# KiCad board PCA20073_nRF54L15_Tiny_Board.kicad_pcb (continued)
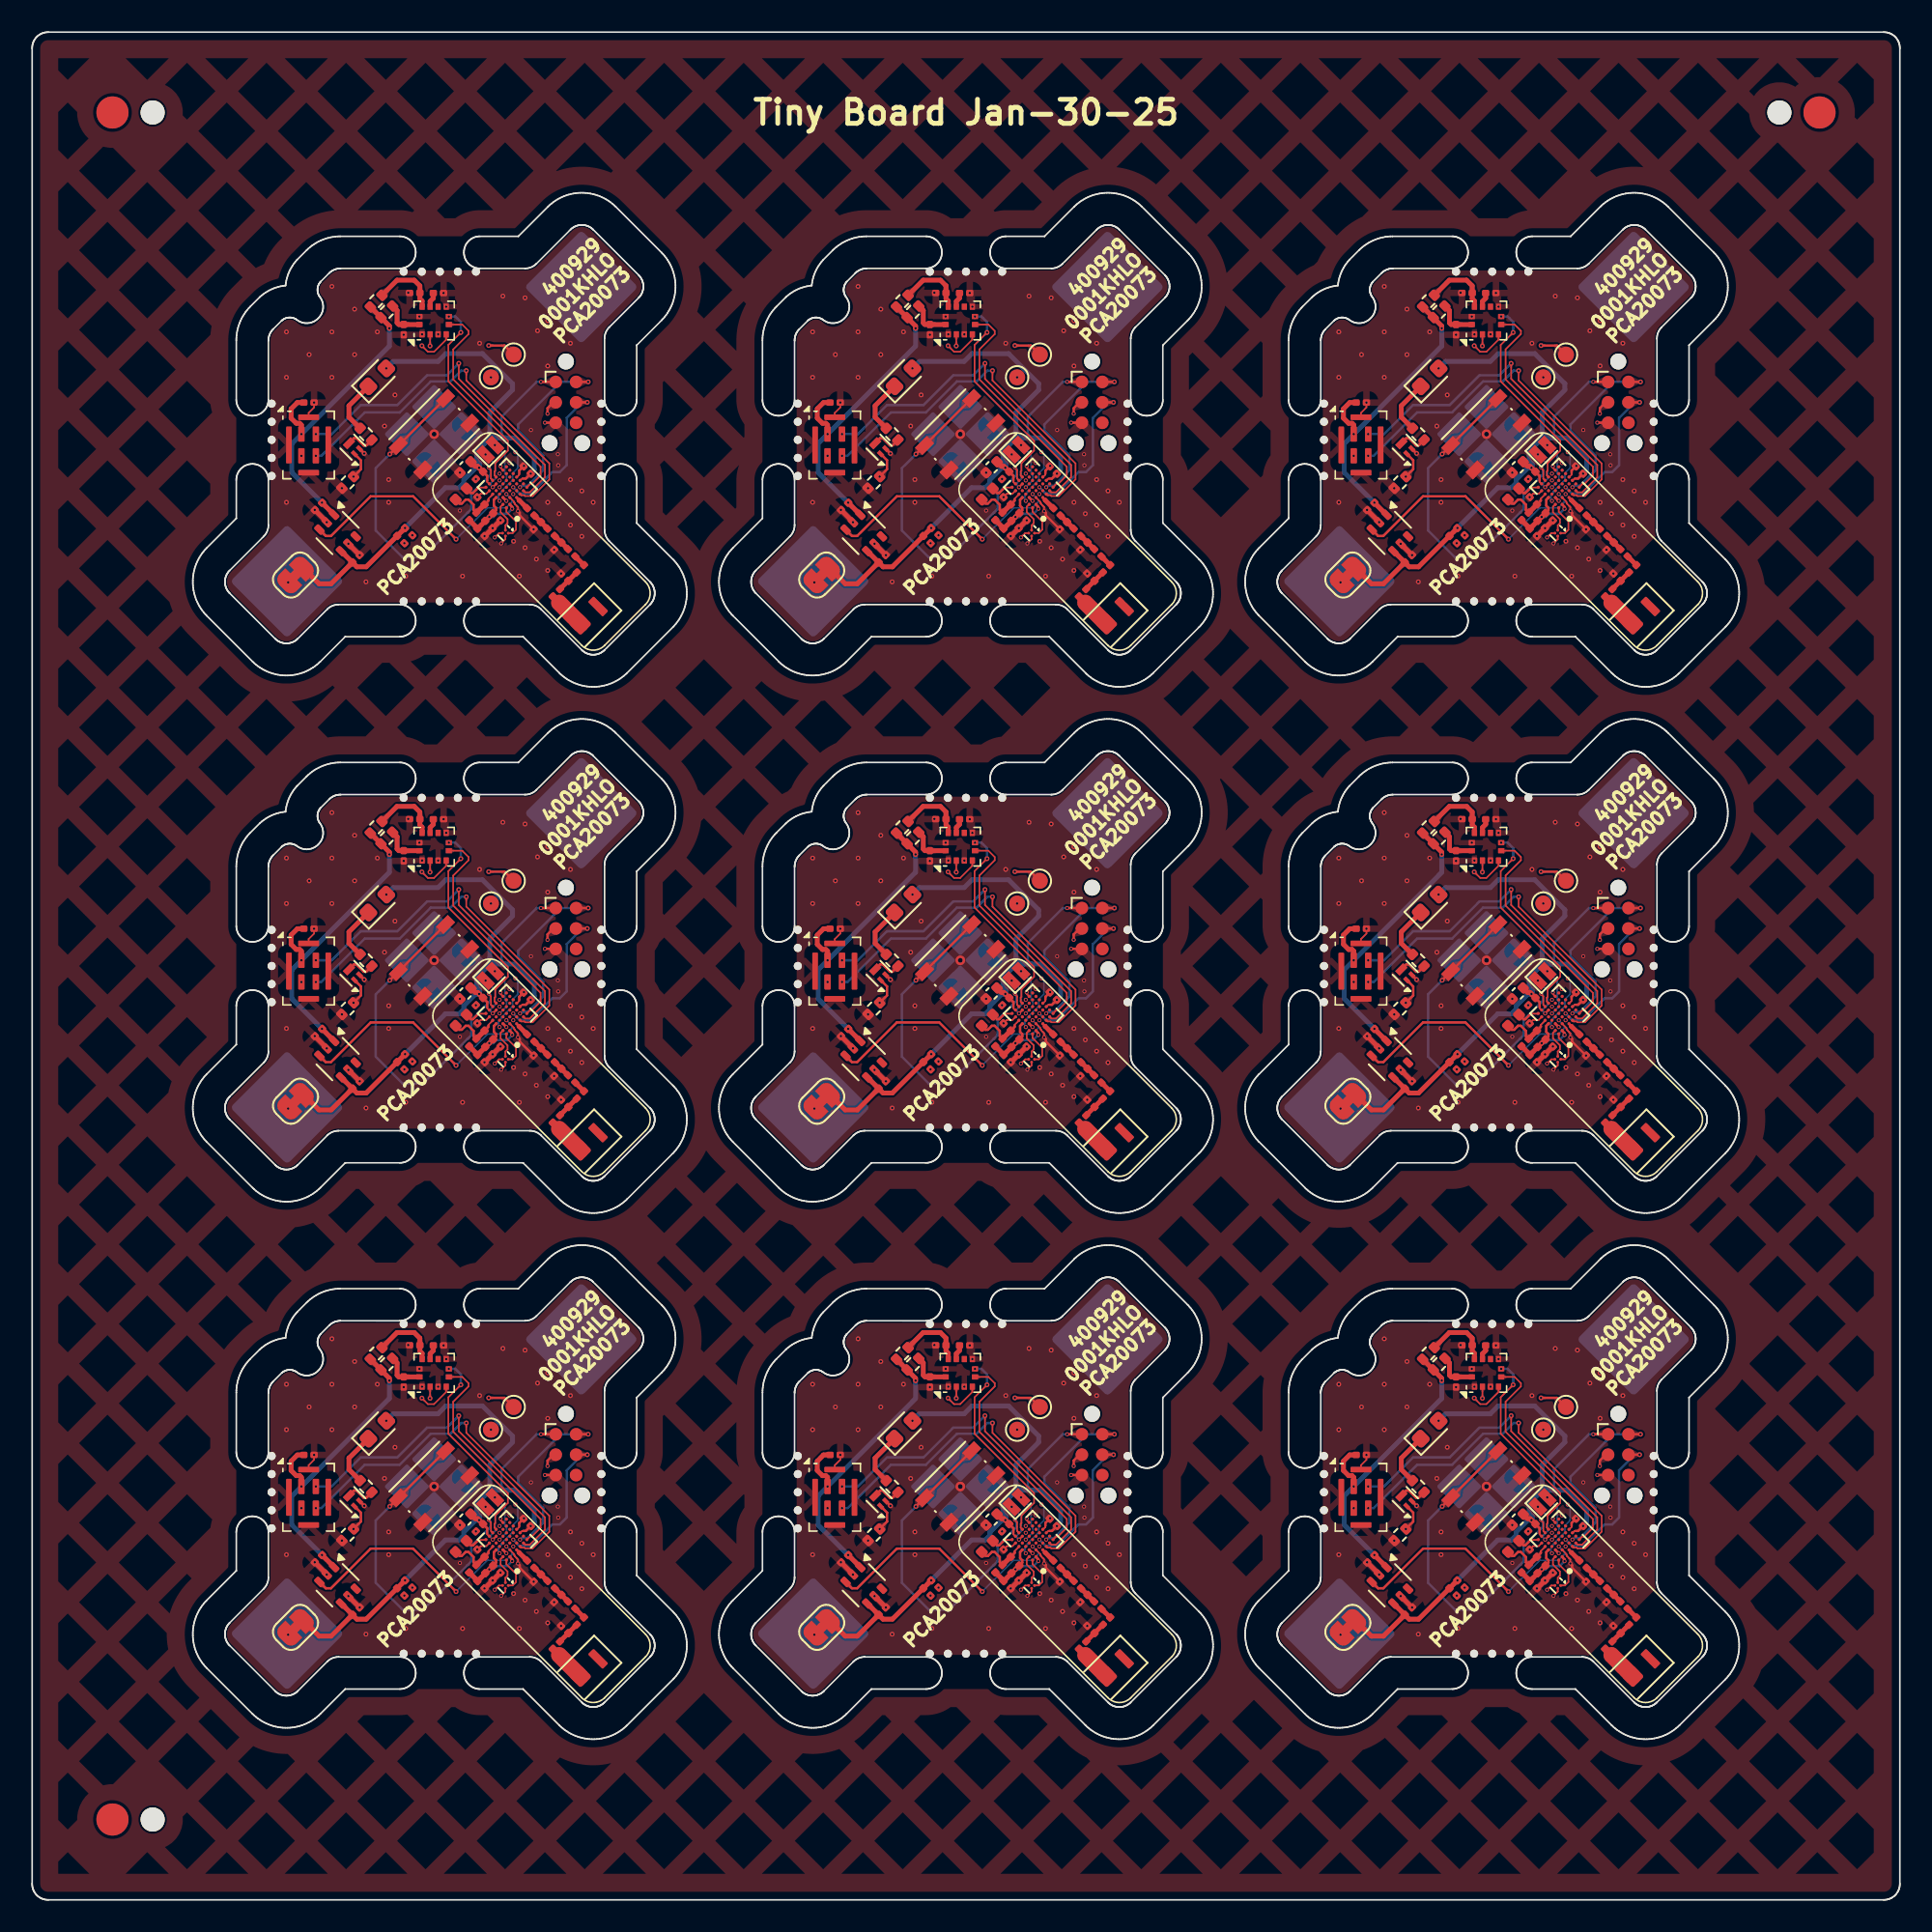
[diagram p0: board, top side]
## Routing (per net, layer and track width the routed paths; a pad name or vN(x,y) marks a point on that pad's centre or on a via; arc(x,y) is an arc through that point) (continued)
  Bottom w0.3: 28.49,90.97 27.67,90.16 27.67,89.58 27.86,89.39 ; 28.49,90.97 28.51,90.99 28.74,90.99 ; 28.49,90.97 28.49,91.37 ; 27.86,89.39 27.86,89.28 27.71,89.13 27.61,89.13 ; 27.86,89.39 27.86,89.17 v2(27.82,89.13) 27.61,89.13 ; v2(22.04,95.32) 22.47,95.75 25.26,95.75 25.75,96.24 28.03,96.24 29.9,94.36 29.9,93.98 28.49,92.57 28.49,91.37 ; 28.49,91.37 28.49,91.29 28.74,91.03 28.74,90.99 ; 28.74,90.99 30.05,90.99 31.26,89.78 31.26,88.99 31.06,88.79 ; 27.61,89.13 26.87,88.39 26.87,88.18 26.58,87.89 25.72,87.89 v2(23.21,85.38)
Board_1-/BUTTON0: length 21.9
  Top w0.1: U1#5.C7 61.3,88.46 61.3,88.98 61.17,89.12 v1(61.17,89.15)
  Top w0.15: v2(55.01,89.98) SW1#6.1 SW1#6.1
  Bottom w0.15: v2(55.01,89.98) 54.13,89.11 54.13,85.23 55.8,83.56 57.08,83.56 59.85,86.33 60.08,86.57 60.08,87.51 61.28,88.71 61.28,89.04 v1(61.17,89.15)
Board_1-/INT1: length 14.2
  Top w0.1: U1#5.G1 63.73,88.11 63.85,88.11 64.39,88.66 64.39,89.2 58.96,94.63 58.96,96.5 59.91,97.45 59.91,97.65 59.52,98.05 U3#2.5
Board_1-/INT2: length 12.8
  Top w0.1: v2(59.43,97.55) 58.65,96.78 58.65,94.51 62.36,90.81 62.36,90.2 61.57,89.41 61.57,88.95 61.52,88.9 61.52,88.66 U1#5.D7
  Bottom w0.15: v2(59.43,97.55) 59.43,98.2 59.09,98.55 v2(58.68,98.55)
Board_1-/LED: length 17.8
  Top w0.15: U1#5.B3 v1(62.27,87.07) ; Q1#6.1 53.21,89.6 53.21,89.04 v2(52.75,88.58)
  In2.Cu w0.15: v1(62.27,87.07) 61.87,86.67 61.26,86.67 60.52,85.93 60.52,85.21 59.56,84.25 58.96,84.25 58.48,84.73 57.52,84.73 56.11,83.31 55.27,83.31 53.43,85.15 53.43,87.89 v2(52.75,88.58)
Board_1-/LFCLK1: length 2.8
  Top w0.075: 61.42,87.92 61.42,87.9
  Top w0.1: U1#5.C6 v1(61.42,87.92)
  Bottom w0.1: v1(61.42,87.92) 61.29,88.05 61.29,88.17 61.57,88.45 61.57,89.36 v1(60.97,89.96)
Board_1-/LSW: length 15.9
  Top w0.075: v1(62.27,87.49) 62.27,87.48 62.27,87.48
  Top w0.15: v2(59.13,84.68) 56.46,87.36 53.82,87.36 51.35,84.89 51.02,84.89 U2#3.3
  Bottom w0.1: v1(62.27,87.49) 62.62,87.14 62.62,87.01 62.25,86.64 61.09,86.64 v2(59.13,84.68)
Board_1-/PDM_CLK: length 22.8
  Top w0.1: v2(59.77,95.18) 59.77,94.57 64.94,89.4 64.94,88.41 63.9,87.37 63.43,87.37 63.38,87.42 63.19,87.42 U1#5.E1
  Bottom w0.15: v1(50.41,89.88) 50.75,89.88 53.45,92.58 55.63,92.58 57.56,94.51 58.78,94.51 59.45,95.18 v2(59.77,95.18)
Board_1-/PDM_DATA: length 21.8
  Top w0.1: U1#5.F1 63.43,87.6 63.72,87.6 64.66,88.55 64.66,89.31 59.3,94.67 v2(59.3,95.63)
  Bottom w0.15: v1(50.41,91.23) 51.39,91.23 53.2,93.04 55.48,93.04 57.33,94.89 58.56,94.89 v2(59.3,95.63)
Board_1-/SCL: length 28.8
  Top w0.075: U1#5.F7 62.06,88.96 62.05,88.96
  Top w0.1: v2(57.01,96.73) 57.38,96.35 57.76,96.35 58.52,97.11 U3#2.4 ; v1(61.9,89.23) 61.9,89.14 U1#5.F7
  In2.Cu w0.1: v2(56.41,84.93) 56.28,84.8 ; 56.28,84.8 56.22,84.74 56.22,84.6 56.43,84.39 56.43,84.07 55.97,83.62 55.41,83.62 53.8,85.22 53.8,93.27 57.01,96.47 v2(57.01,96.73) ; 56.28,84.8 56.54,84.8 56.55,84.8 56.93,84.8 57.2,85.07 59.16,85.07 61.54,87.46 61.81,87.46 62.17,87.82 62.17,88.69 62.11,88.75 62.11,89.02 v1(61.9,89.23)
  In2.Cu w0.15: v2(56.41,84.93) 56.55,84.8
Board_1-/SDA: length 24.8
  Top w0.1: U3#2.2 57.52,96.72 v2(57.51,96.71) ; v1(61.84,88.34) 61.84,88.33
  In2.Cu w0.1: v2(55.92,84.44) 56.12,84.23 56.12,84.12 55.94,83.94 55.42,83.94 54.1,85.26 54.1,93.16 57.51,96.57 v2(57.51,96.71)
  In2.Cu w0.15: v2(55.92,84.44) 55.78,84.58 55.78,84.75 56.38,85.36 56.38,85.67 58.68,87.97 60.32,87.97 60.7,88.34 61.84,88.34 v1(61.84,88.34)
Board_1-/UART_RX: length 13.6
  Top w0.15: v2(61.16,96.74) 62.15,96.74 TP2#8.1
  In2.Cu w0.15: v1(62.83,90.1) 62.98,90.26 62.98,95.91 62.15,96.74 v2(61.16,96.74)
  Bottom w0.1: v1(61.84,87.07) 61.78,87.14 61.78,87.39 61.78,87.33 61.78,87.43 61.95,87.6 61.95,87.67 62.65,88.37 62.65,88.79 62.97,89.12 62.97,89.95 v1(62.83,90.1)
Board_1-/UART_TX: length 7.1
  In2.Cu w0.15: v1(61.84,88.77) 61.83,88.77 61.59,89 61.59,89.34 62.65,90.39 62.65,93.42 v2(61.3,94.76)
Board_1-GND: length 11.5
  Top w0.075: 62.74,86.93 62.92,86.76
  Top w0.1: v1(62.99,86.43) 62.99,86.69 62.79,86.88 62.79,86.93 62.74,86.98 62.74,87.02 U1#5.C2 ; Y2#3.3 61.8,85.06 v1(61.54,84.8) ; Y2#3.2 62.21,84.69 v1(61.94,84.42) ; U1#5.A6 61.01,87.51 60.67,87.51 v1(60.46,87.31) ; 62.9,88.54 63.07,88.7 63.07,88.79 ; MK1#6.5 49.96,92.55 50.3,92.89 v1(50.3,93.19)
  Top w0.15: v1(62.99,86.43) 63.09,86.32 63.09,86.17 v2(63.96,85.3) ; v2(53.42,90.02) Q1#6.2 ; C8#3.2 63.07,88.96 63.07,88.79 ; v1(64.66,91.94) 65.33,91.94 J1.5 ; 52.04,87.83 52.03,87.85 v2(52.03,87.86)
  Top w0.3: v2(50.34,86.51) 51.09,85.76 v2(51.09,85.74) ; v2(52.43,84.4) v2(53.14,83.69) ; v1(60.9,84.88) 60.92,84.88 v1(61.41,85.37) ; v1(61.41,85.37) v1(61.9,85.86) ; v1(61.41,85.37) C12#7.2
  vias: v1(49.51,89.88) v1(59.37,86.47) v1(60.37,88.43) v1(62.46,89.43) v1(63.36,89.25) v1(63.79,91.48) v1(65.47,89.97) v1(65.49,89.29) v2(48.58,97.59) v2(48.58,94.76) v2(48.58,86.98) v2(49.99,96.17) v2(51.41,100.42) v2(51.41,97.59) v2(51.41,94.76) v2(52.82,99) v2(52.82,96.17) v2(53.53,82.03) v2(54.23,97.59) v2(54.68,91.73) v2(54.94,88.4) v2(54.94,86.98) v2(55.33,93.66) v2(55.87,97.41) v2(56,82.39) v2(56.16,100.03) v2(56.85,98.55) v2(57.02,97.44) v2(58.02,97.44) v2(58.36,100.01) v2(58.52,99.16) v2(59.37,88.83) v2(59.54,82.39) v2(60.6,96.88) v2(62.05,99.82) v2(62.71,84.56) v2(63.07,82.39) v2(63.43,99.71) v2(63.43,84.15) v2(64.13,83.45) v2(64.2,97.66) v2(64.84,98.3) v2(64.84,95.47) v2(64.84,86.98) v2(64.84,82.74) v2(65.24,84.03) v2(65.55,86.28) v2(65.67,82.55) v2(66.25,96.88) v2(66.25,88.4) v2(66.25,85.57) v2(66.96,87.69) v2(66.96,84.86) v2(67.67,86.98) v3(57.77,91.23)
Board_1-Net-(AE1-PCB_Trace): length 1.9
  Top w1: AE1#5.2 65.55,80.73
Board_1-Net-(BT1-+):
  vias: v2(48.68,82)
Board_1-Net-(C6-Pad1): length 1.2
  Top w0.293: 64,86.17 64.82,85.35
Board_1-Net-(C9-Pad1): length 1.2
  Top w0.293: 65.28,84.89 66.1,84.07
Board_1-Net-(D1-K): length 3.4
  Top w0.3: D1#2.1 52.47,92.99 52.47,92.29 R1#2.1
Board_1-Net-(J1-SWCLK): length 9.5
  Top w0.15: J1.4 v2(67.3,93.2)
  Bottom w0.15: v2(67.3,93.2) 66.99,93.2 66.02,92.24 66.02,89.29 65.59,88.86 65.12,88.86 63.79,87.53 63.08,87.53 62.69,87.91 v1(62.69,87.92)
Board_1-Net-(J1-SWDIO): length 11.6
  Top w0.15: v2(67.36,94.48) 66.61,94.48 J1.2
  Bottom w0.15: v2(67.36,94.48) 65.65,94.48 63,91.83 63,91.46 64.56,89.9 64.56,88.98 63.6,88.01 63.23,88.01 63.13,87.92 v1(63.12,87.92)
Board_1-Net-(J1-~{RESET}): length 8.1
  Top w0.15: 62.69,87.48 v1(62.69,87.49) ; J1.3 65.19,93.2 64.83,92.84 v1(64.83,92.5)
  In2.Cu w0.15: v1(64.83,92.5) 64.46,92.5 64.2,92.24 64.2,91.32 63.72,90.84 63.72,90.1 64.52,89.29 64.52,88.77 63.33,87.58 62.77,87.58 v1(62.69,87.49)
Board_1-Net-(JP2-A): length 2.6
  Top w0.3: JP2.1 55.46,98.92 55.46,98.15 55.57,98.05 C16#4.1 55.88,98.05 U3#2.12 56.85,98.05
Board_1-Net-(JP3-A): length 4.3
  Top w0.3: U3#2.10 57.02,99.51 56.88,99.65 C17#5.1 56.88,100.46 56.53,100.81 55.46,100.81 JP3#9.1
Board_1-Net-(L4-Pad2): length 0.8
  Top w0.293: 66.55,83.62 67.09,83.08
Board_1-Net-(L18-Pad1): length 1.5
  Top w0.293: 66.64,82.62 65.6,81.58
Board_1-Net-(Q1-D): length 1.9
  Top w0.15: Q1#6.3 52.78,90.98 52.93,90.98 53.39,90.52 53.54,90.52 R1#2.2
Board_1-Net-(U1-ANT): length 0.9
  Top w0.1: 62.91,87.27 62.9,87.26 63.05,87.12
  Top w0.293: L2#6.1 63.05,87.12 63.05,87.12
Board_1-Net-(U1-DCC): length 1.5
  Top w0.1: 60.51,87.88 60.53,87.9 60.99,87.9
  Top w0.15: L1#7.2 60.07,87.56 60.19,87.56 60.51,87.88
Board_1-Net-(U1-DECA): length 5.3
  Top w0.15: v1(62.63,86.58) 62.63,86.69 62.48,86.84 ; U1#5.A4 61.49,87.14 61.49,86.77 61.62,86.64 61.62,86.49 C5#3.1
  Top w0.3: C5#3.1 v1(61.2,86.07) 60.47,85.33 C2#2.1 60.45,85.37 FB1.1
  Bottom w0.15: v1(61.2,86.07) 61.45,86.07 61.65,86.27 62.32,86.27 v1(62.63,86.58)
Board_1-Net-(U1-DECD): length 3.6
  Top w0.1: 61.42,87.48 61.15,87.21 61.15,87.15
  Top w0.15: 61.15,87.15 61.15,87.09 C1#5.1 ; L1#7.1 59.35,86.9 59.49,86.9 59.73,87.15 59.9,87.15 60.22,86.83 60.22,86.51 FB1.2
  Top w0.3: FB1.2 C1#5.1
Board_1-Net-(U1-P1.00): length 3.1
  Top w0.1: 61.84,87.9 61.85,87.91 v1(61.84,87.92)
  Bottom w0.1: v1(61.55,90.54) 62.17,89.92 62.17,88.76 62.28,88.65 62.28,88.36 v1(61.84,87.92)
Board_1-Net-(U1-XC1): length 2.2
  Top w0.1: U1#5.A1 62.27,86.39 62.87,85.79 62.87,85.28 62.66,85.07 62.38,85.07 Y2#3.1
Board_1-Net-(U1-XC2): length 1.9
  Top w0.1: U1#5.A2 61.91,86.71 61.91,86.37 62.34,85.94 62.34,85.68 62.21,85.55 Y2#3.4
Board_1-Net-(U3-V_{REG_OUT}): length 0.9
  Top w0.3: C15#6.1 57.72,99.69 57.52,99.49 U3#2.9
Board_1-unconnected-(U1-P1.03-PadD5): length 0
  Top w0.1: 62.05,88.11 62.06,88.12 62.06,88.13
Board_1-VDD: length 45.3
  Top w0.1: 61.07,88.32 61.07,88.25 61.21,88.11 ; 63.32,88.46 63.25,88.46 63.11,88.33
  Top w0.15: 63.32,88.46 63.48,88.46 v2(63.78,88.76) ; 61.07,88.32 61.07,88.63 C11#5.1 ; J1.1 65.33,94.48 v1(64.42,94.48)
  Top w0.3: v2(55.96,85.38) 53.54,82.97 52.96,82.97 C3#9.1 ; C3#9.1 51.36,81.91 50.61,81.91 49.6,82.92 ; C3#9.1 51.99,83.94 U2#3.4 ; C11#5.1 v2(60.57,89.13) 60.48,89.22 60.34,89.22 C10#9.1
  Bottom w0.15: v1(64.42,94.48) 64.15,94.48 61.97,92.3 61.97,91.23 ; 61.77,90.99 61.97,91.19 61.97,91.23 ; 61.97,91.23 61.97,90.99 ; 61.97,91.23 62.21,90.99 62.22,90.99
  Bottom w0.3: 61.23,91.37 61.23,90.97 ; 61.23,91.37 61.23,91.29 61.49,91.03 61.49,90.99 ; 61.23,91.37 61.23,92.57 62.65,93.98 62.65,94.36 60.77,96.24 58.5,96.24 58.01,95.75 55.22,95.75 v2(54.79,95.32) ; 60.6,89.39 60.6,89.17 v2(60.57,89.13) 60.36,89.13 ; 60.6,89.39 60.42,89.58 60.42,90.16 61.23,90.97 ; 60.6,89.39 60.6,89.28 60.46,89.13 60.36,89.13 ; 61.49,90.99 61.26,90.99 61.23,90.97 ; 61.49,90.99 62.8,90.99 64.01,89.78 64.01,88.99 63.81,88.79 ; 60.36,89.13 59.61,88.39 59.61,88.18 59.33,87.89 58.47,87.89 v2(55.96,85.38)
Board_2-/BUTTON0: length 21.9
  Top w0.1: v1(93.92,89.15) 93.92,89.12 94.05,88.98 94.05,88.46 U1#3.C7
  Top w0.15: v2(87.76,89.98) SW1#4.1 SW1#4.1
  Bottom w0.15: v2(87.76,89.98) 86.88,89.11 86.88,85.23 88.55,83.56 89.83,83.56 92.6,86.33 92.83,86.57 92.83,87.51 94.03,88.71 94.03,89.04 v1(93.92,89.15)
Board_2-/INT1: length 14.2
  Top w0.1: U3#9.5 92.27,98.05 92.66,97.65 92.66,97.45 91.71,96.5 91.71,94.63 97.14,89.2 97.14,88.66 96.6,88.11 96.48,88.11 U1#3.G1
Board_2-/INT2: length 12.8
  Top w0.1: U1#3.D7 94.27,88.66 94.27,88.9 94.32,88.95 94.32,89.41 95.11,90.2 95.11,90.81 91.4,94.51 91.4,96.78 v2(92.18,97.55)
  Bottom w0.15: v2(92.18,97.55) 92.18,98.2 91.84,98.55 v2(91.43,98.55)
Board_2-/LED: length 17.8
  Top w0.15: U1#3.B3 v1(95.01,87.07) ; Q1.1 85.96,89.6 85.96,89.04 v2(85.5,88.58)
  In2.Cu w0.15: v1(95.01,87.07) 94.61,86.67 94.01,86.67 93.27,85.93 93.27,85.21 92.31,84.25 91.71,84.25 91.23,84.73 90.27,84.73 88.86,83.31 88.02,83.31 86.18,85.15 86.18,87.89 v2(85.5,88.58)
Board_2-/LFCLK1: length 2.8
  Top w0.075: 94.17,87.92 94.17,87.9
  Top w0.1: U1#3.C6 v1(94.17,87.92)
  Bottom w0.1: v1(93.72,89.96) 94.32,89.36 94.32,88.45 94.04,88.17 94.04,88.05 v1(94.17,87.92)
Board_2-/LSW: length 15.9
  Top w0.075: v1(95.02,87.49) 95.02,87.48 95.02,87.48
  Top w0.15: U2#9.3 83.77,84.89 84.1,84.89 86.57,87.36 89.21,87.36 v2(91.88,84.68)
  Bottom w0.1: v1(95.02,87.49) 95.37,87.14 95.37,87.01 94.99,86.64 93.83,86.64 v2(91.88,84.68)
Board_2-/PDM_CLK: length 22.8
  Top w0.1: v2(92.52,95.18) 92.52,94.57 97.69,89.4 97.69,88.41 96.65,87.37 96.18,87.37 96.13,87.42 95.94,87.42 U1#3.E1
  Bottom w0.15: v2(92.52,95.18) 92.2,95.18 91.53,94.51 90.31,94.51 88.38,92.58 86.2,92.58 83.5,89.88 v1(83.16,89.88)
Board_2-/PDM_DATA: length 21.8
  Top w0.1: U1#3.F1 96.18,87.6 96.47,87.6 97.41,88.55 97.41,89.31 92.05,94.67 v2(92.05,95.63)
  Bottom w0.15: v2(92.05,95.63) 91.31,94.89 90.08,94.89 88.23,93.04 85.95,93.04 84.14,91.23 v1(83.16,91.23)
Board_2-/SCL: length 28.8
  Top w0.075: 94.8,88.96 94.8,88.96 U1#3.F7
  Top w0.1: v2(89.75,96.73) 90.13,96.35 90.51,96.35 91.27,97.11 U3#9.4 ; U1#3.F7 94.65,89.14 v1(94.65,89.23)
  In2.Cu w0.1: v1(94.65,89.23) 94.86,89.02 94.86,88.75 94.92,88.69 94.92,87.82 94.56,87.46 94.29,87.46 91.9,85.07 89.95,85.07 89.68,84.8 89.29,84.8 89.29,84.8 89.03,84.8 ; 89.03,84.8 88.97,84.74 88.97,84.6 89.17,84.39 89.17,84.07 88.72,83.62 88.16,83.62 86.55,85.22 86.55,93.27 89.75,96.47 v2(89.75,96.73) ; 89.03,84.8 v2(89.16,84.93)
  In2.Cu w0.15: v2(89.16,84.93) 89.29,84.8
Board_2-/SDA: length 24.8
  Top w0.1: U3#9.2 90.27,96.72 v2(90.26,96.71) ; v1(94.59,88.34) 94.59,88.33
  In2.Cu w0.1: v2(88.67,84.44) 88.87,84.23 88.87,84.12 88.69,83.94 88.17,83.94 86.85,85.26 86.85,93.16 90.26,96.57 v2(90.26,96.71)
  In2.Cu w0.15: v1(94.59,88.34) 94.59,88.34 93.45,88.34 93.07,87.97 91.43,87.97 89.13,85.67 89.13,85.36 88.52,84.75 88.52,84.58 v2(88.67,84.44)
Board_2-/UART_RX: length 13.6
  Top w0.15: TP2#4.1 94.9,96.74 v2(93.91,96.74)
  In2.Cu w0.15: v2(93.91,96.74) 94.9,96.74 95.73,95.91 95.73,90.26 v1(95.57,90.1)
  Bottom w0.1: v1(95.57,90.1) 95.72,89.95 95.72,89.12 95.4,88.79 95.4,88.37 94.7,87.67 94.7,87.6 94.53,87.43 94.53,87.33 94.53,87.39 94.53,87.14 v1(94.59,87.07)
Board_2-/UART_TX: length 7.1
  In2.Cu w0.15: v1(94.59,88.77) 94.57,88.77 94.34,89 94.34,89.34 95.4,90.39 95.4,93.42 v2(94.05,94.76)
Board_2-GND: length 11.5
  Top w0.075: 95.49,86.93 95.67,86.76
  Top w0.1: v1(83.05,93.19) 83.05,92.89 82.71,92.55 MK1.5 ; U1#3.A6 93.76,87.51 93.42,87.51 v1(93.21,87.31) ; Y2#7.3 94.55,85.06 v1(94.29,84.8) ; v1(95.74,86.43) 95.74,86.69 95.54,86.88 95.54,86.93 95.49,86.98 95.49,87.02 U1#3.C2 ; v1(94.69,84.42) 94.95,84.69 Y2#7.2 ; 95.81,88.79 95.81,88.7 95.65,88.54
  Top w0.15: v1(95.74,86.43) 95.84,86.32 95.84,86.17 v2(96.71,85.3) ; C8#8.2 95.81,88.96 95.81,88.79 ; 84.79,87.83 84.78,87.85 v2(84.78,87.86) ; v2(86.17,90.02) Q1.2 ; J1#6.5 98.08,91.94 v1(97.41,91.94)
  Top w0.3: v1(93.65,84.88) 93.67,84.88 v1(94.16,85.37) ; v1(94.16,85.37) C12#4.2 ; v1(94.16,85.37) v1(94.65,85.86) ; v2(83.84,85.74) 83.84,85.76 v2(83.09,86.51) ; v2(85.18,84.4) v2(85.89,83.69)
  vias: v1(82.26,89.88) v1(92.12,86.47) v1(93.12,88.43) v1(95.21,89.43) v1(96.11,89.25) v1(96.54,91.48) v1(98.22,89.97) v1(98.24,89.29) v2(81.33,97.59) v2(81.33,94.76) v2(81.33,86.98) v2(82.74,96.17) v2(84.15,100.42) v2(84.15,97.59) v2(84.15,94.76) v2(85.57,99) v2(85.57,96.17) v2(86.28,82.03) v2(86.98,97.59) v2(87.43,91.73) v2(87.69,88.4) v2(87.69,86.98) v2(88.08,93.66) v2(88.62,97.41) v2(88.75,82.39) v2(88.9,100.03) v2(89.6,98.55) v2(89.77,97.44) v2(90.77,97.44) v2(91.11,100.01) v2(91.27,99.16) v2(92.12,88.83) v2(92.29,82.39) v2(93.35,96.88) v2(94.8,99.82) v2(95.46,84.56) v2(95.82,82.39) v2(96.17,99.71) v2(96.17,84.15) v2(96.95,97.66) v2(96.88,83.45) v2(97.59,98.3) v2(97.59,95.47) v2(97.59,86.98) v2(97.59,82.74) v2(97.99,84.03) v2(98.3,86.28) v2(98.42,82.55) v2(99,96.88) v2(99,88.4) v2(99,85.57) v2(99.71,87.69) v2(99.71,84.86) v2(100.42,86.98) v3(90.52,91.23)
Board_2-Net-(AE1-PCB_Trace): length 1.9
  Top w1: AE1#9.2 98.3,80.73
Board_2-Net-(BT1-+):
  vias: v2(81.43,82)
Board_2-Net-(C6-Pad1): length 1.2
  Top w0.293: 96.75,86.17 97.57,85.35
Board_2-Net-(C9-Pad1): length 1.2
  Top w0.293: 98.02,84.89 98.84,84.07
Board_2-Net-(D1-K): length 3.4
  Top w0.3: R1#8.1 85.21,92.29 85.21,92.99 D1#8.1
Board_2-Net-(J1-SWCLK): length 9.5
  Top w0.15: J1#6.4 v2(100.05,93.2)
  Bottom w0.15: v1(95.44,87.92) 95.44,87.91 95.83,87.53 96.54,87.53 97.87,88.86 98.34,88.86 98.77,89.29 98.77,92.24 99.74,93.2 v2(100.05,93.2)
Board_2-Net-(J1-SWDIO): length 11.6
  Top w0.15: J1#6.2 99.36,94.48 v2(100.11,94.48)
  Bottom w0.15: v2(100.11,94.48) 98.4,94.48 95.75,91.83 95.75,91.46 97.31,89.9 97.31,88.98 96.34,88.01 95.98,88.01 95.88,87.92 v1(95.86,87.92)
Board_2-Net-(J1-~{RESET}): length 8.1
  Top w0.15: v1(95.44,87.49) 95.44,87.48 95.44,87.48 ; v1(97.57,92.5) 97.57,92.84 97.94,93.2 J1#6.3
  In2.Cu w0.15: v1(95.44,87.49) 95.52,87.58 96.08,87.58 97.27,88.77 97.27,89.29 96.46,90.1 96.46,90.84 96.95,91.32 96.95,92.24 97.21,92.5 v1(97.57,92.5)
Board_2-Net-(JP2-A): length 2.6
  Top w0.3: JP2#7.1 88.21,98.92 88.21,98.15 88.32,98.05 C16#6.1 88.63,98.05 U3#9.12 89.6,98.05
Board_2-Net-(JP3-A): length 4.3
  Top w0.3: U3#9.10 89.77,99.51 89.63,99.65 C17#9.1 89.63,100.46 89.28,100.81 88.21,100.81 JP3#3.1
Board_2-Net-(L4-Pad2): length 0.8
  Top w0.293: 99.3,83.62 99.84,83.08
Board_2-Net-(L18-Pad1): length 1.5
  Top w0.293: 99.39,82.62 98.35,81.58
Board_2-Net-(Q1-D): length 1.9
  Top w0.15: Q1.3 85.53,90.98 85.67,90.98 86.13,90.52 86.29,90.52 R1#8.2
Board_2-Net-(U1-ANT): length 0.9
  Top w0.1: 95.8,87.12 95.65,87.26 95.66,87.27
  Top w0.293: L2#8.1 95.8,87.12 95.8,87.12
Board_2-Net-(U1-DCC): length 1.5
  Top w0.1: 93.25,87.88 93.28,87.9 93.74,87.9
  Top w0.15: 93.25,87.88 92.94,87.56 92.82,87.56 L1#2.2
Board_2-Net-(U1-DECA): length 5.3
  Top w0.15: 95.23,86.84 95.38,86.69 v1(95.38,86.58) ; U1#3.A4 94.24,87.14 94.24,86.77 94.37,86.64 94.37,86.49 C5#6.1
  Top w0.3: C5#6.1 v1(93.95,86.07) 93.21,85.33 C2.1 93.2,85.37 FB1#8.1
  Bottom w0.15: v1(95.38,86.58) 95.06,86.27 94.4,86.27 94.2,86.07 v1(93.95,86.07)
Board_2-Net-(U1-DECD): length 3.6
  Top w0.1: 94.17,87.48 93.9,87.21 93.9,87.15
  Top w0.15: C1#6.1 93.9,87.09 93.9,87.15 ; L1#2.1 92.1,86.9 92.24,86.9 92.48,87.15 92.65,87.15 92.97,86.83 92.97,86.51 FB1#8.2
  Top w0.3: FB1#8.2 C1#6.1
Board_2-Net-(U1-P1.00): length 3.1
  Top w0.1: v1(94.59,87.92) 94.6,87.91 94.59,87.9
  Bottom w0.1: v1(94.3,90.54) 94.92,89.92 94.92,88.76 95.03,88.65 95.03,88.36 v1(94.59,87.92)
Board_2-Net-(U1-XC1): length 2.2
  Top w0.1: U1#3.A1 95.02,86.39 95.62,85.79 95.62,85.28 95.4,85.07 95.13,85.07 Y2#7.1
Board_2-Net-(U1-XC2): length 1.9
  Top w0.1: Y2#7.4 94.95,85.55 95.09,85.68 95.09,85.94 94.65,86.37 94.65,86.71 U1#3.A2
Board_2-Net-(U3-V_{REG_OUT}): length 0.9
  Top w0.3: U3#9.9 90.27,99.49 90.47,99.69 C15#2.1
Board_2-unconnected-(U1-P1.03-PadD5): length 0
  Top w0.1: 94.8,88.11 94.8,88.12 U1#3.D5
Board_2-VDD: length 45.3
  Top w0.1: 93.82,88.32 93.82,88.25 93.95,88.11 ; 96.07,88.46 96,88.46 95.86,88.33
  Top w0.15: v1(97.16,94.48) 98.08,94.48 J1#6.1 ; v2(96.53,88.76) 96.22,88.46 96.07,88.46 ; 93.82,88.32 93.82,88.63 C11#2.1
  Top w0.3: v2(88.71,85.38) 86.29,82.97 85.71,82.97 C3#5.1 ; C3#5.1 84.73,83.94 U2#9.4 ; C3#5.1 84.1,81.91 83.35,81.91 82.35,82.92 ; C10#5.1 93.08,89.22 93.23,89.22 v2(93.32,89.13) C11#2.1
  Bottom w0.15: 94.72,91.23 94.72,92.3 96.9,94.48 v1(97.16,94.48) ; 94.72,91.23 94.96,90.99 94.97,90.99 ; 94.72,91.23 94.72,91.19 94.52,90.99 ; 94.72,91.23 94.72,90.99
  Bottom w0.3: 93.98,90.97 93.98,91.37 ; 93.98,90.97 94,90.99 94.24,90.99 ; 93.98,90.97 93.17,90.16 93.17,89.58 93.35,89.39 ; 93.11,89.13 92.36,88.39 92.36,88.18 92.08,87.89 91.22,87.89 v2(88.71,85.38) ; 93.11,89.13 v2(93.32,89.13) 93.35,89.17 93.35,89.39 ; 93.11,89.13 93.2,89.13 93.35,89.28 93.35,89.39 ; 93.98,91.37 93.98,92.57 95.4,93.98 95.4,94.36 93.52,96.24 91.25,96.24 90.76,95.75 87.97,95.75 v2(87.54,95.32) ; 93.98,91.37 93.98,91.29 94.24,91.03 94.24,90.99 ; 94.24,90.99 95.55,90.99 96.75,89.78 96.75,88.99 96.56,88.79
Board_3-/BUTTON0: length 21.9
  Top w0.1: v1(28.42,56.4) 28.42,56.37 28.56,56.24 28.56,55.71 U1#9.C7
  Top w0.15: SW1#7.1 SW1#7.1 v2(22.26,57.24)
  Bottom w0.15: v1(28.42,56.4) 28.53,56.3 28.53,55.96 27.33,54.76 27.33,53.82 27.1,53.58 24.33,50.81 23.05,50.81 21.39,52.48 21.39,56.36 v2(22.26,57.24)
Board_3-/INT1: length 14.2
  Top w0.1: U1#9.G1 30.99,55.37 31.1,55.37 31.65,55.91 31.65,56.45 26.21,61.88 26.21,63.75 27.16,64.71 27.16,64.9 26.77,65.3 U3#5.5
Board_3-/INT2: length 12.8
  Top w0.1: v2(26.68,64.8) 25.9,64.03 25.9,61.76 29.61,58.06 29.61,57.45 28.82,56.67 28.82,56.2 28.78,56.15 28.78,55.91 U1#9.D7
  Bottom w0.15: v2(26.68,64.8) 26.68,65.46 26.34,65.8 v2(25.93,65.8)
Board_3-/LED: length 17.8
  Top w0.15: U1#9.B3 v1(29.52,54.32) ; Q1#9.1 20.46,56.85 20.46,56.29 v2(20,55.83)
  In2.Cu w0.15: v2(20,55.83) 20.69,55.15 20.69,52.4 22.52,50.56 23.36,50.56 24.77,51.98 25.73,51.98 26.22,51.5 26.81,51.5 27.77,52.46 27.77,53.18 28.51,53.92 29.12,53.92 v1(29.52,54.32)
Board_3-/LFCLK1: length 2.8
  Top w0.075: 28.67,55.17 28.67,55.15
  Top w0.1: U1#9.C6 v1(28.67,55.17)
  Bottom w0.1: v1(28.22,57.21) 28.82,56.61 28.82,55.7 28.54,55.42 28.54,55.3 v1(28.67,55.17)
Board_3-/LSW: length 15.9
  Top w0.075: 29.52,54.73 29.52,54.73 v1(29.52,54.75)
  Top w0.15: U2#4.3 18.27,52.14 18.6,52.14 21.07,54.61 23.71,54.61 v2(26.39,51.94)
  Bottom w0.1: v1(29.52,54.75) 29.87,54.39 29.87,54.26 29.5,53.89 28.34,53.89 v2(26.39,51.94)
Board_3-/PDM_CLK: length 22.8
  Top w0.1: v2(27.02,62.43) 27.02,61.82 32.19,56.65 32.19,55.66 31.15,54.62 30.68,54.62 30.63,54.67 30.44,54.67 U1#9.E1
  Bottom w0.15: v2(27.02,62.43) 26.7,62.43 26.03,61.76 24.81,61.76 22.88,59.83 20.7,59.83 18,57.13 v1(17.66,57.13)
Board_3-/PDM_DATA: length 21.8
  Top w0.1: U1#9.F1 30.68,54.86 30.97,54.86 31.91,55.8 31.91,56.56 26.55,61.92 v2(26.55,62.88)
  Bottom w0.15: v1(17.66,58.48) 18.64,58.48 20.45,60.29 22.73,60.29 24.58,62.14 25.81,62.14 v2(26.55,62.88)
Board_3-/SCL: length 28.8
  Top w0.075: 29.31,56.21 29.31,56.21 U1#9.F7
  Top w0.1: U3#5.4 25.77,64.36 25.01,63.6 24.63,63.6 v2(24.26,63.98) ; v1(29.15,56.48) 29.15,56.39 U1#9.F7
  In2.Cu w0.1: v2(23.66,52.18) 23.54,52.06 ; 23.54,52.06 23.47,51.99 23.47,51.85 23.68,51.65 23.68,51.32 23.22,50.87 22.66,50.87 21.05,52.47 21.05,60.52 24.26,63.72 v2(24.26,63.98) ; 23.54,52.06 23.79,52.06 23.8,52.05 24.18,52.05 24.45,52.32 26.41,52.32 28.79,54.71 29.06,54.71 29.43,55.08 29.43,55.94 29.36,56 29.36,56.27 v1(29.15,56.48)
  In2.Cu w0.15: v2(23.66,52.18) 23.8,52.05
Board_3-/SDA: length 24.8
  Top w0.1: v2(24.77,63.96) 24.77,63.97 U3#5.2 ; 29.09,55.59 29.09,55.58
  In2.Cu w0.1: v2(24.77,63.96) 24.77,63.82 21.35,60.41 21.35,52.52 22.67,51.19 23.2,51.19 23.37,51.37 23.37,51.48 v2(23.17,51.69)
  In2.Cu w0.15: v2(23.17,51.69) 23.03,51.83 23.03,52 23.63,52.61 23.63,52.92 25.93,55.22 27.57,55.22 27.95,55.59 29.09,55.59 v1(29.09,55.59)
Board_3-/UART_RX: length 13.6
  Top w0.15: v2(28.41,63.99) 29.4,63.99 TP2#6.1
  In2.Cu w0.15: v1(30.08,57.35) 30.23,57.51 30.23,63.16 29.4,63.99 v2(28.41,63.99)
  Bottom w0.1: v1(29.09,54.32) 29.03,54.39 29.03,54.64 29.03,54.58 29.03,54.68 29.2,54.85 29.2,54.92 29.9,55.62 29.9,56.04 30.22,56.37 30.22,57.2 v1(30.08,57.35)
Board_3-/UART_TX: length 7.1
  In2.Cu w0.15: v1(29.09,56.02) 29.08,56.02 28.85,56.25 28.85,56.59 29.9,57.64 29.9,60.67 v2(28.56,62.01)
Board_3-GND: length 11.5
  Top w0.075: 29.99,54.18 30.17,54.01
  Top w0.1: v1(28.79,52.05) 29.06,52.31 Y2#5.3 ; MK1#7.5 17.21,59.8 17.55,60.14 v1(17.55,60.44) ; v1(27.71,54.56) 27.92,54.76 28.26,54.76 U1#9.A6 ; 30.15,55.79 30.32,55.95 30.32,56.04 ; Y2#5.2 29.46,51.94 v1(29.19,51.67) ; v1(30.24,53.68) 30.24,53.94 30.04,54.13 30.04,54.18 29.99,54.23 29.99,54.27 U1#9.C2
  Top w0.15: C8.2 30.32,56.21 30.32,56.04 ; v1(30.24,53.68) 30.35,53.58 30.35,53.42 v2(31.21,52.55) ; v1(31.91,59.19) 32.58,59.19 J1#4.5 ; 19.29,55.08 19.28,55.1 v2(19.28,55.11) ; v2(20.67,57.27) Q1#9.2
  Top w0.3: v1(28.66,52.63) 28.17,52.13 v1(28.16,52.13) ; v1(28.66,52.63) C12#3.2 ; v1(28.66,52.63) v1(29.15,53.11) ; v2(19.68,51.65) v2(20.39,50.95) ; v2(17.59,53.76) 18.34,53.01 v2(18.34,53)
  vias: v1(16.76,57.13) v1(26.63,53.72) v1(27.62,55.68) v1(29.72,56.68) v1(30.61,56.5) v1(31.05,58.73) v1(32.72,57.22) v1(32.74,56.54) v2(15.83,64.84) v2(15.83,62.01) v2(15.83,54.23) v2(17.24,63.43) v2(18.66,67.67) v2(18.66,64.84) v2(18.66,62.01) v2(20.07,66.25) v2(20.07,63.43) v2(20.78,49.28) v2(21.48,64.84) v2(21.93,58.98) v2(22.19,55.65) v2(22.19,54.23) v2(22.58,60.92) v2(23.13,64.66) v2(23.25,49.64) v2(23.41,67.28) v2(24.11,65.8) v2(24.27,64.69) v2(25.27,64.69) v2(25.61,67.26) v2(25.77,66.41) v2(26.63,56.08) v2(26.79,49.64) v2(27.85,64.13) v2(29.3,67.07) v2(29.96,51.81) v2(30.32,49.64) v2(30.68,66.96) v2(30.68,51.41) v2(31.46,64.91) v2(31.38,50.7) v2(32.09,65.55) v2(32.09,62.72) v2(32.09,54.23) v2(32.09,49.99) v2(32.49,51.28) v2(32.8,53.53) v2(32.92,49.8) v2(33.51,64.13) v2(33.51,55.65) v2(33.51,52.82) v2(34.21,54.94) v2(34.21,52.11) v2(34.92,54.23) v3(25.02,58.48)
Board_3-Net-(AE1-PCB_Trace): length 1.9
  Top w1: AE1#4.2 32.8,47.98
Board_3-Net-(BT1-+):
  vias: v2(15.93,49.25)
Board_3-Net-(C6-Pad1): length 1.2
  Top w0.293: 31.25,53.42 32.07,52.6
Board_3-Net-(C9-Pad1): length 1.2
  Top w0.293: 32.53,52.14 33.35,51.32
Board_3-Net-(D1-K): length 3.4
  Top w0.3: D1#4.1 19.72,60.24 19.72,59.54 R1#4.1
Board_3-Net-(J1-SWCLK): length 9.5
  Top w0.15: J1#4.4 v2(34.55,60.46)
  Bottom w0.15: v1(29.94,55.17) 29.94,55.17 30.33,54.78 31.04,54.78 32.37,56.11 32.84,56.11 33.27,56.55 33.27,59.49 34.24,60.46 v2(34.55,60.46)
Board_3-Net-(J1-SWDIO): length 11.6
  Top w0.15: J1#4.2 33.86,61.73 v2(34.61,61.73)
  Bottom w0.15: v1(30.37,55.17) 30.38,55.17 30.48,55.27 30.85,55.27 31.81,56.23 31.81,57.15 30.25,58.71 30.25,59.08 32.9,61.73 v2(34.61,61.73)
Board_3-Net-(J1-~{RESET}): length 8.1
  Top w0.15: 29.94,54.73 v1(29.94,54.75) ; v1(32.08,59.75) 32.08,60.09 32.45,60.46 J1#4.3
  In2.Cu w0.15: v1(29.94,54.75) 30.02,54.83 30.58,54.83 31.77,56.02 31.77,56.55 30.97,57.35 30.97,58.09 31.46,58.58 31.46,59.49 31.71,59.75 v1(32.08,59.75)
Board_3-Net-(JP2-A): length 2.6
  Top w0.3: JP2#4.1 22.72,66.17 22.72,65.41 22.82,65.3 C16#5.1 23.13,65.3 U3#5.12 24.1,65.3
Board_3-Net-(JP3-A): length 4.3
  Top w0.3: U3#5.10 24.27,66.76 24.13,66.9 C17.1 24.13,67.71 23.78,68.06 22.71,68.06 JP3#7.1
